# Altium PCB MBT03_IB_V2.PcbDoc
Units mm, origin at the board's own origin, x right, y up, seen from the top; angles counter-clockwise.
Board outline 152.4 x 101.6 mm, 2 copper layers (Top Layer, Bottom Layer); 42 components, 94 nets, 197 pads, 0 vias.
Unrouted connection lines stored in the file: 103.
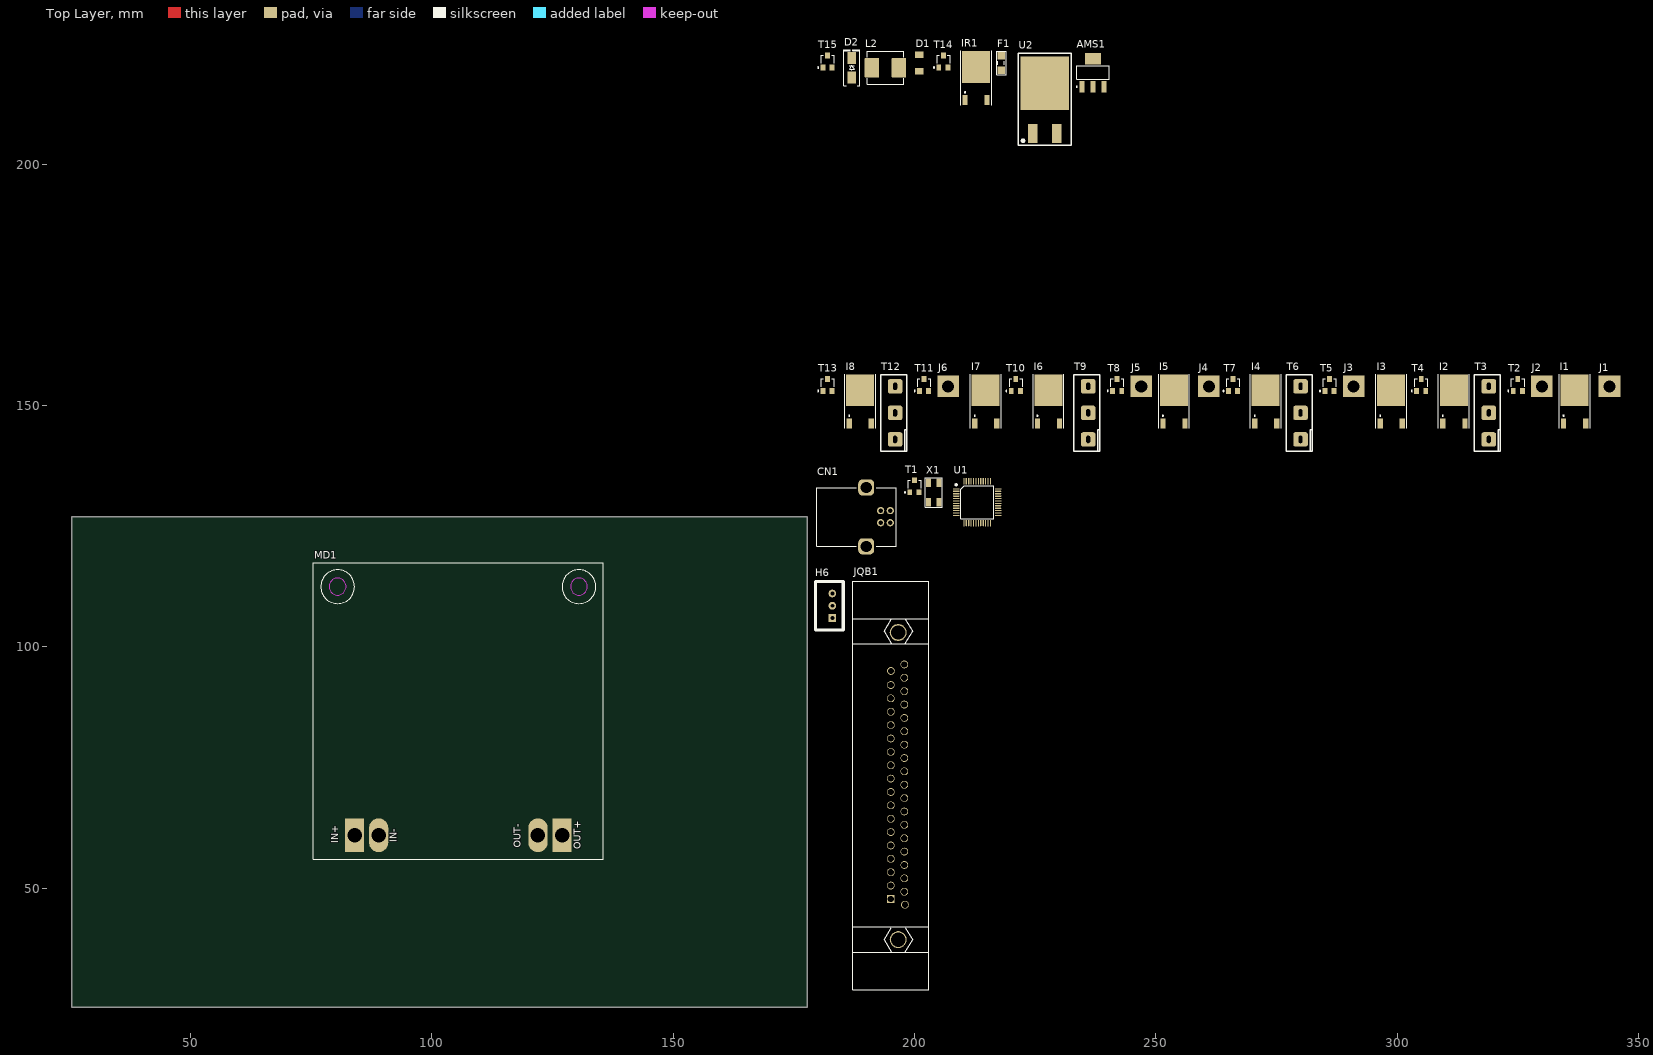
[diagram p0: Top Layer view]
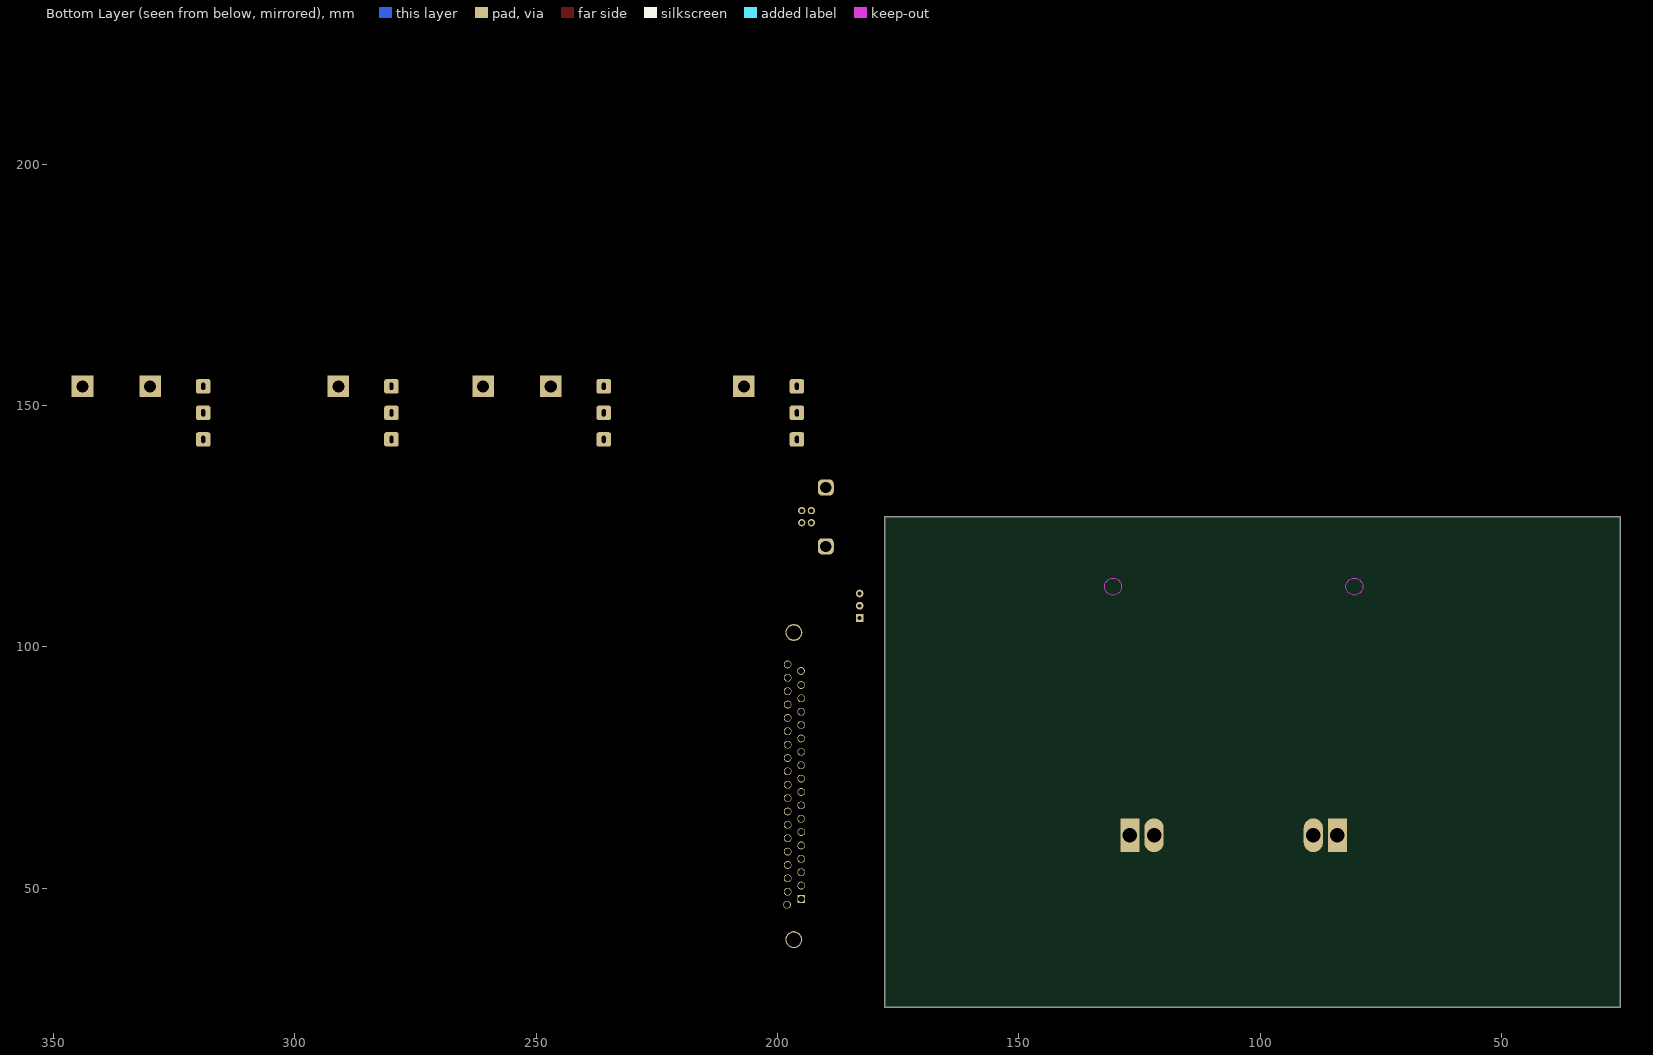
[diagram p1: Bottom Layer view, seen from below]

## Layer stack, top to bottom
Top Solder: solder mask 0.0102, Solder Resist, Dk 3.5
Top Layer: signal copper 0.0356
Dielectric 1: dielectric 0.32, FR-4, Dk 4.8
Bottom Layer: signal copper 0.0356
Bottom Solder: solder mask 0.0102, Solder Resist, Dk 3.5

## Board outline
25.4,25.4 177.8,25.4 177.8,127 25.4,127

## Design rules (kind name [scope] priority, off if disabled: settings)
Clearance [All] p1: gap=0.254 ignorepadtopadclearanceinfootprint=FALSE
PolygonConnect [All] p1: connectstyle=Relief reliefconductorwidth=0.254 reliefentries=4 polygonreliefangle="90 Angle" airgapwidth=0.254
RoutingVias [All] p1: holewidth=0.711 width=1.27 viastyle="Through Hole" minholewidth=0.711 minwidth=1.27 maxholewidth=0.711 maxwidth=1.27
SolderMaskExpansion [All] p1: expansion=0.102 istentingtop=FALSE
Width [All] p1: maxlimit=0.254 minlimit=0.254 preferedwidth=0.254
30 further rules are at their usual default settings.

## Classes and differential pairs
component class U_IB_V2_MCU: C1 C2 C3 C4 C5 C6 C7 C8 C9 C10 C11 CN1 H1 H2 H3 H4 H5 L1 R1 R2 R3 R4 R5 R6 R7 R8 R9 R10 R11 R12 R13 R14 R15 R16 R17 T1 U1 X1
component class U_IB_V2_AUDIO: H6 JQB1

## Components (designator, comment, footprint, x,y, rotation, side; value= is the part's Value field where it differs from the comment)
AMS1 "AMS1117-3.3V" SOT223 237,219 r0 top value="AMS1117-3.3V SOT223"
CN1 "61400416121" USB-B_61400416121 195,127 r0 top
D1 "3.3V" "DIODE ZENNER SMD SOD80" 201,221 r90 top
D2 "SS34" "DIODE SMA" 187,220 r90 top
F1 "1206 - PTC 6V/1A" "tro smd 1206" 218,221 r90 top
H6 "Header 3P 2.54 Duc Thang" XH2.54M-3 183,106 r90 top
I1 "12CWQ10FN" TO-252 337,149 r0 top
I2 "12CWQ10FN" TO-252 312,149 r0 top
I3 "12CWQ10FN" TO-252 299,149 r0 top
I4 "12CWQ10FN" TO-252 273,149 r0 top
I5 "12CWQ10FN" TO-252 254,149 r0 top
I6 "12CWQ10FN" TO-252 228,149 r0 top
I7 "12CWQ10FN" TO-252 215,149 r0 top
I8 "12CWQ10FN" TO-252 189,149 r0 top
IR1 "IRF5410" TO-252 213,216 r0 top
J1 "Pad" pad_4.5x4.5_hole_2.5mm 344,154 r0 top
J2 "Pad" pad_4.5x4.5_hole_2.5mm 330,154 r0 top
J3 "Pad" pad_4.5x4.5_hole_2.5mm 291,154 r0 top
J4 "Pad" pad_4.5x4.5_hole_2.5mm 261,154 r0 top
J5 "Pad" pad_4.5x4.5_hole_2.5mm 247,154 r0 top
J6 "Pad" pad_4.5x4.5_hole_2.5mm 207,154 r0 top
JQB1 "D-SUB DB37" "JQ BOARD" 203,29 r90 top
L2 "0630 - 10uH" 0630_Inductor 194,220 r0 top
MD1 "MODULE 12V5A DEMO" "MODULE 12V5A" 75.5,56 r0 top
T1 "SI2319" "SOT - 23" 200,132 r0 top
T2 "SI2319" "SOT - 23" 325,153 r0 top
T3 "Mofet IRFP2907" "TO 247 AC" 319,143 r90 top
T4 "MMBT2222A 1P Transistor NPN" "SOT - 23" 305,153 r0 top
T5 "SI2319" "SOT - 23" 286,153 r0 top
T6 "Mofet IRFP2907" "TO 247 AC" 280,143 r90 top
T7 "MMBT2222A 1P Transistor NPN" "SOT - 23" 266,153 r0 top
T8 "SI2319" "SOT - 23" 242,153 r0 top
T9 "Mofet IRFP2907" "TO 247 AC" 236,143 r90 top
T10 "MMBT2222A 1P Transistor NPN" "SOT - 23" 221,153 r0 top
T11 "SI2319" "SOT - 23" 202,153 r0 top
T12 "Mofet IRFP2907" "TO 247 AC" 196,143 r90 top
T13 "MMBT2222A 1P Transistor NPN" "SOT - 23" 182,153 r0 top
T14 "2N2222" "SOT - 23" 206,220 r0 top
T15 "2N2222" "SOT - 23" 182,220 r0 top
U1 "STM32F103C8T6" LQFP48_L 213,130 r0 top
U2 "CJ7805" "To263 2L" 227,215 r0 top
X1 "8Mhz" XTAL_SMD5032 204,132 r90 top

## Footprints (in the part's own frame and the unit in brackets; to place one, negate y for a bottom-side part, rotate by r counter-clockwise, add the part's x,y. Pads: shape width x height; smd on the part's side, far side on the other; paste and mask are expansions set on the pad)
0630_Inductor [mm]
  rrect10% 3x4 smd paste-2539.97: 1(-2.8,0) 2(2.8,0)
  silkscreen extent -3.8,-3.4 3.8,3.4, body extent -3.65,-3.35 3.65,3.35, height 2.81
"DIODE SMA" [mm] "SMA"
  rect 2.5x1.7 smd: 1(-2,0) 2(2,0)
  silkscreen extent -3.68,-1.65 3.75,1.65, body extent -2.6,-1.37 2.6,1.37, height 2.4
"DIODE ZENNER SMD SOD80" [mm] "SOD80"
  rect 1.35x1.8 smd: 1(1.675,0) 2(-1.675,0)
  body extent -1.75,-0.76 1.75,0.74, height 1.45
"JQ BOARD" [mm]
  round 3.5 hole 3: 0(10.375,6.375) 0(74,6.375)
  rect 1.6x1.6 hole 1.3: 1(18.8,7.884)
  round 1.6 hole 1.3: 2(21.57,7.884) 3(24.34,7.884) 4(27.11,7.884) 5(29.88,7.884) 6(32.65,7.884) 7(35.42,7.884) 8(38.19,7.884) 9(40.96,7.884) 10(43.73,7.884) 11(46.5,7.884) 12(49.27,7.884) 13(52.04,7.884) 14(54.81,7.884) 15(57.58,7.884) 16(60.35,7.884) 17(63.12,7.884) 18(66.04,7.874) 19(17.6,4.972) 20(20.296,5.08) 21(23.066,5.08) 22(25.836,5.08) 23(28.606,5.08) 24(31.376,5.08) 25(34.146,5.08) 26(36.916,5.08) 27(39.686,5.08) 28(42.456,5.08) 29(45.226,5.08) 30(47.996,5.08) 31(50.766,5.08) 32(53.536,5.08) 33(56.306,5.08) 34(59.076,5.08) 35(61.846,5.08) 36(64.616,5.08) 37(67.386,5.08)
  silkscreen extent 0,0 84.62,15.75, body extent 0.09,-0.01 85.09,15.76, height 57.5
LQFP48_L [mm] "Thin QFP, 48-Leads, Body 7x7mm, Pitch 0.5mm, IPC High Density"
  oval 1.35x0.25 smd: 1(-4.325,2.75) 2(-4.325,2.25) 3(-4.325,1.75) 4(-4.325,1.25) 5(-4.325,0.75) 6(-4.325,0.25) 7(-4.325,-0.25) 8(-4.325,-0.75) 9(-4.325,-1.25) 10(-4.325,-1.75) 11(-4.325,-2.25) 12(-4.325,-2.75) 25(4.325,-2.75) 26(4.325,-2.25) 27(4.325,-1.75) 28(4.325,-1.25) 29(4.325,-0.75) 30(4.325,-0.25) 31(4.325,0.25) 32(4.325,0.75) 33(4.325,1.25) 34(4.325,1.75) 35(4.325,2.25) 36(4.325,2.75)
  oval 0.25x1.35 smd: 13(-2.75,-4.325) 14(-2.25,-4.325) 15(-1.75,-4.325) 16(-1.25,-4.325) 17(-0.75,-4.325) 18(-0.25,-4.325) 19(0.25,-4.325) 20(0.75,-4.325) 21(1.25,-4.325) 22(1.75,-4.325) 23(2.25,-4.325) 24(2.75,-4.325) 37(2.75,4.325) 38(2.25,4.325) 39(1.75,4.325) 40(1.25,4.325) 41(0.75,4.325) 42(0.25,4.325) 43(-0.25,4.325) 44(-0.75,4.325) 45(-1.25,4.325) 46(-1.75,4.325) 47(-2.25,4.325) 48(-2.75,4.325)
  silkscreen extent -4.65,-3.45 3.45,3.9, body extent -4.39,-4.38 4.38,4.39, height 1.6
"MODULE 12V5A" [mm]
  rect 4x7 hole 3: 1(8.5,5) 4(51.5,5)
  oval 4x7 hole 3: 2(13.5,5) 3(46.5,5)
  Keep-Out Layer circle w0.127: c5,56.5 r1.75
  Keep-Out Layer circle w0.127: c55,56.5 r1.75
  silkscreen extent 0,0 60,61.5, body extent 0,0 60,61.5, height 52.67
pad_4.5x4.5_hole_2.5mm [mm]
  rect 4.5x4.5 hole 2.5: 1(0,0)
SOT223 [mm]
  rect 1x2.4 smd: 1(-2.3,-2.9) 2(0,-2.9) 3(2.3,-2.9)
  rect 3.3x2.4 smd: 4(0,2.9)
  silkscreen extent -3.47,-3.02 3.35,1.4, body extent -3.25,-3.56 3.25,3.4, height 1.68
"SOT - 23" [mm]
  rect 1x1.2 smd: 1(-0.95,0.045) 2(0.95,0.045) 3(0,2.545)
  silkscreen extent -2.07,-0.08 1.3,2.55
"To263 2L" [mm]
  rect 2x4 smd: 1(-2.5,-8.6) 3(2.5,-8.6)
  rect 10x11 smd: 2(0,1.8)
  silkscreen extent -5.5,-11 5.5,8, body extent -5.14,-9.65 5.14,6.09, height 4.57
"TO 247 AC" [mm]
  rrect30% 3x3 hole 0.8 slot 1.5 at 0 deg paste+0: 1(0,0) 2(5.5,0) 3(11,0)
  silkscreen extent -2.4,-2.4 13.4,3, body extent -2.3,-2.2 13.3,2.8, height 25.3
TO-252 [mm]
  rect 1.1x2.1 smd: 1(-2.514,-2.693) 3(2.056,-2.693)
  rect 5.8x6.6 smd: 2(-0.229,4.191)
  silkscreen extent -3.43,-3.73 2.97,7.52
"tro smd 1206" [mm]
  rect 1.5x1.6 smd: 1(-1.5,0) 2(1.5,0)
  silkscreen extent -2.44,-0.99 2.44,0.99, body extent -1.6,-0.8 1.6,0.8, height 0.6
USB-B_61400416121 [mm]
  round 1.5 hole 0.9: 1(0,-1.25) 2(0,1.25) 3(-2,1.25) 4(-2,-1.25)
  rrect50% 3.3x3.3 hole 2.3: 5(-4.988,6.033) 6(-4.988,-6.159)
  silkscreen extent -15.25,-6.16 1.24,6.03, body extent -15.25,-7.48 1.25,7.48, height 11.08
XH2.54M-3 [mm]
  rect 1.6x1.6 hole 0.8: 1(0,0)
  round 1.6 hole 0.8: 2(2.54,0) 3(5.08,0)
  silkscreen extent -2.48,-2.26 7.56,3.46, body extent -2.48,-2.26 7.56,3.48, height 6.91
XTAL_SMD5032 [mm]
  rect 1.8x1 smd: 1(-2,-1.1) 2(2,-1.1) 3(2,1.1) 4(-2,1.1)
  silkscreen extent -3.05,-1.75 3.05,1.75, body extent -2.48,-1.6 2.53,1.6, height 0.9

## Part data
AMS1: library part "AMS1117 SMD", "Dán", Chung_Loai=Dán, Don_Vi=Con, Ma_Hang=MH000596
CN1: library part USB_61400416121, "CONN COM TYPE B USB HORZ 4POS", Current Rating=1.5A, Insulation Color=White, Manufacturer="Wurth Electronics Inc.", Material Flammability Rating="UL94 V-0", Operating Temperature="-40°C ~ 105°C", Supplier Part Number 1=732-2108-ND, Voltage - Rated=30V, Category="Connectors, Interconnects", ComponentLink1Description=http://katalog.we-online.de/em/datasheet/61400416121.pdf, ComponentLink1URL=http://katalog.we-online.de/em/datasheet/61400416121.pdf, Connector Type="USB - B", Contact Finish=Gold, Features="Board Lock", Gender=Receptacle, Ingress Protection=-, Manufacturer Part Number=61400416121, Mating Cycles=1500, Mounting Feature=Horizontal, Mounting Type="Through Hole, Right Angle", Number of Contacts=4, Packaging=Tray, Part Status=Active, Pricing 1="1=1.32, 10=1.165, 50=1.098, 100=0.986, 250=0.896 (USD)", RoHS="RoHS Compliant", Shell/Shielding Material=Brass, Shielding=Shielded, Specifications="USB 2.0", Stock 1=3084, Supplier 1=Digi-Key, Termination=Solder
D1: library part "Diode Zener 3.3V", "Dán", Chung_Loai=Dán, Don_Vi=Con, Ma_Hang=MH002880, Ten_Linh_Kien="Diode Zener 1/2W 3.3V SMD1206 ZMM3.3"
D2: library part "Diode SS34 ( 1N5822 )", "Dán", Chung_Loai=Dán, Don_Vi=Con, Ma_Hang=MH002104, Ten_Linh_Kien="Diode SS34 3A 40V SMA ( 1N5822 SS34A)"
F1: library part "Tro 1206 1% 10R", "Dán", Chung_Loai=Dán, Don_Vi=Con, Ma_Hang=MH005886, So_Chan=2, Ten_Linh_Kien="Trở 1206 1% 10R"
H6: "Cắm", Chung_Loai=Cắm, Don_Vi=Con, Ma_Hang=MH001292, Ten_Linh_Kien="Header 3P XH2.54-3P Đực Thẳng"
I1 I2 I3 I4 I5 I6 I7 I8: library part "Diode - 12CWQ10FN", "Diode Schottky 100V 12A, SMD DPAK"
IR1: library part "Mosfet - DTU40P06"
J1 J2 J3 J4 J5 J6: PackageDocument=20-Nov-2001, ComponentLink1Description="Manufacturer Link", ComponentLink1URL=http://www.molex.com/, ComponentLink2Description=Datasheet, ComponentLink2URL=http://www.molex.com/cmc_upload/common_files/1212003_42878catalogpage.pdf, DatasheetDocument=20-Nov-2001, DrillSize="Nominal, Rounded to nearest 0.05mm", PackageReference=42878-4410, PCB_Layout="Complies with Manufacturer's Recommendation.", PCB_Mounting=Thru-Hole, PCB_Thickness="0.125\"", PerformanceCategory=3, Ports=1, Positions/Loaded="Port1 - 4/2", Published=25-Jun-2002, Publisher="Altium Limited"
JQB1: library part JQ8900, "DB37-2.77 Cái Thẳng 2 Hàng chân hàn PCB"
L2: library part 0630_Inductor
T1 T2 T5 T8 T11: library part "Transistor - A1015", "P-Channel 40-V(D-S) MOSEFET / SOT-23/3 LEAD"
T3 T6 T9 T12: library part IRFP2907
T4 T7 T10 T13: library part "Transistor - 2N2222", "Transistor NPN 40V 0.6A 3 Chân SOT-23/3 LEAD"
T14 T15: library part "Transistor - 2N2222"
U1: "IC MCU 32BIT 64KB FLASH 48LQFP", Base Part Number=STM32F103, Manufacturer=STMicroelectronics, Operating Temperature="-40°C ~ 85°C (TA)", Package / Case=48-LQFP, Supplier Part Number 1=497-6063-ND, Voltage - Supply (Vcc/Vdd)="2 V ~ 3.6 V", Category="Integrated Circuits (ICs)", ComponentLink1Description=https://media.digikey.com/pdf/Data%20Sheets/ST%20Microelectronics%20PDFS/STM32F103x8,B.pdf, ComponentLink1URL=https://media.digikey.com/pdf/Data%20Sheets/ST%20Microelectronics%20PDFS/STM32F103x8,B.pdf, Connectivity="CAN, I²C, IrDA, LIN, SPI, UART/USART, USB", Core Processor="ARM® Cortex®-M3", Core Size=32-Bit, Data Converters="A/D 10x12b", EEPROM Size=-, Manufacturer Part Number=STM32F103C8T6, Oscillator Type=Internal, Packaging=Tray, Part Status=Active, Peripherals="DMA, Motor Control PWM, PDR, POR, PVD, PWM, Temp Sensor, WDT", Pricing 1="1=6.06, 10=5.438, 100=4.4558, 500=3.7931, 1000=3.199 (USD)", Program Memory Size="64KB (64K x 8)", Program Memory Type=FLASH, RAM Size="20K x 8", RoHS="RoHS Compliant", Speed=72MHz, Stock 1=3588, Supplier 1=Digi-Key
U2: library part 7805
X1: library part XTAL_7B-8.000MAAJ-T, "CRYSTAL 8.0000MHZ 18PF SMD", ESR (Equivalent Series Resistance)="100 Ohm", Frequency=8MHz, Frequency Stability=±30ppm, Load Capacitance=18pF, Manufacturer 1="TXC CORPORATION", Manufacturer Part Number 1=7B-8.000MAAJ-T, Operating Mode=Fundamental, Operating Temperature="-20°C ~ 70°C", Package / Case="4-SMD, No Lead", Ratings=-, Supplier Part Number 1=887-1452-1-ND, Category 1="Crystals, Oscillators, Resonators", ComponentLink1Description=http://www.txccorp.com/download/products/quartz_crystals/2015TXC_7B_19.pdf, ComponentLink1URL=http://www.txccorp.com/download/products/quartz_crystals/2015TXC_7B_19.pdf, Description 1="CRYSTAL 8.0000MHZ 18PF SMD", Frequency Tolerance=±30ppm, Height - Seated (Max)="0.041\" (1.05mm)", Mounting Type="Surface Mount", Packaging="Cut Tape (CT)", Part Status=Active, Pricing 1="1=0.86, 10=0.759, 50=0.7096, 100=0.627, 500=0.594 (USD)", RoHS 1="RoHS Compliant", Size / Dimension="0.197\" L x 0.126\" W (5.00mm x 3.20mm)", Stock 1=21080, Supplier 1=Digi-Key, Type="MHz Crystal"

## Nets (pads, with @x,y where several pads share a name; then routed paths per layer and width w, separated by ;. In a path a pad name is that pad's centre, name@x,y a point inside that pad or via, vN(x,y) a via of type N, cw(c..) or ccw(c..) an arc to the next point about the centre after c; other vN are vias at no path point)
"12V FB": 
+3V3: AMS1.2 AMS1.4 U1.1 U1.9 U1.24 U1.36 U1.48
+5V: AMS1.3 F1.2 JQB1.22 JQB1.25 JQB1.28 JQB1.31 JQB1.34 JQB1.37 T1.2
+12V: L2.2 MD1.4 T2.2 T5.2 T8.2 T11.2 U2.1
A1: U1.11
A2: U1.12
A_GND: CN1.4 CN1.5 CN1.6 U1.8 U1.23 U1.35 U1.47 X1.2 X1.4
BAT+: I1.2 I3.2 I5.2 I7.2 IR1.3 J1.1 J4.1
BAT_EN: IR1.2 MD1.1
BOOT0: U1.44
BOOT1: U1.20
CLK: U1.37
DAC: H6.1 JQB1.19
DIO: U1.34
GND: AMS1.1 D1.1 D2.1 H6.3 I2.1 I2.3 I4.1 I4.3 I6.1 I6.3 I8.1 I8.3 JQB1.3 JQB1.6 JQB1.9 JQB1.12 JQB1.15 JQB1.18 MD1.2 MD1.3 T3.3 T4.2 T6.3 T7.2 T9.3 T10.2 T12.3 T13.2 T14.2 T15.2 U2.2
LED_PC13: U1.2
NetC12_2: U1.16
NetC14_1: F1.1 U2.3
NetC19_2: IR1.1
NetC20_1: D2.2 L2.1
NetC20_2: 
NetC21_1: 
NetC26_1: 
NetCN1_2: CN1.2
NetCN1_3: CN1.3
NetD1_2: D1.2 U1.15
NetH6_2: H6.2 U1.28
NetH7_2: 
NetH7_3: 
NetI1_1: I1.1 I1.3 I2.2 J2.1 T3.2
NetI3_1: I3.1 I3.3 I4.2 J3.1 T6.2
NetI5_1: I5.1 I5.3 I6.2 J5.1 T9.2
NetI7_1: I7.1 I7.3 I8.2 J6.1 T12.2
NetJQB1_1: JQB1.1 U1.41
NetJQB1_2: JQB1.2 U1.42
NetJQB1_4: JQB1.4 U1.43
NetJQB1_5: JQB1.5 U1.45
NetJQB1_7: JQB1.7 U1.46
NetJQB1_8: JQB1.8 U1.21
NetJQB1_10: JQB1.10 U1.22
NetJQB1_11: JQB1.11 U1.25
NetJQB1_13: JQB1.13 U1.26
NetJQB1_14: JQB1.14 U1.27
NetL1_1: 
NetR11_2: T1.3
NetR16_1: T1.1
NetR18_2: T2.1
NetR19_2: T4.3
NetR20_1: T4.1
NetR20_2: U1.18
NetR21_2: T2.3 T3.1
NetR23_2: T5.1
NetR24_2: T7.3
NetR25_1: T7.1
NetR25_2: U1.19
NetR26_2: T5.3 T6.1
NetR28_2: T8.1
NetR29_2: T10.3
NetR30_1: T10.1
NetR30_2: U1.39
NetR31_2: T8.3 T9.1
NetR33_2: T11.1
NetR34_2: T13.3
NetR35_1: T13.1
NetR35_2: U1.40
NetR36_2: T11.3 T12.1
NetR40_2: T14.3 T15.3
NetR43_2: T14.1
NetR47_2: U1.13
NetR48_1: U1.14
NetR48_2: T15.1
NetR50_2: 
NRST: U1.7
OSC_IN: U1.3 X1.1
OSC_OUT: U1.4 X1.3
RX1: JQB1.21
RX2: JQB1.24
RX3: JQB1.27
RX4: JQB1.30
RX5: JQB1.33
RX6: JQB1.36
SenIN_1: U1.17
SenIN_2: U1.30
SenOUT_1: U1.29
SenOUT_2: U1.31
TX1: JQB1.20
TX2: JQB1.23
TX3: JQB1.26
TX4: JQB1.29
TX5: JQB1.32
TX6: JQB1.35
USB_N: U1.33
USB_P: U1.32
VBUS: CN1.1
pads on no net: JQB1.0 JQB1.16 JQB1.17 U1.5 U1.6 U1.10 U1.38

## Text inside footprints (layer, text, board x,y; h text height)
MD1: Top Overlay "OUT+" at 131.375,58.1 h2.5 r90; Top Overlay "OUT-" at 118.975,58.4 h2.5 r90; Top Overlay "IN-" at 93.275,59.593 h2.5 r90; Top Overlay "IN+" at 81.175,59.349 h2.5 r90